# Altium PCB PMR_for_R124_v2.PcbDoc (part 1 of 3) (continued)
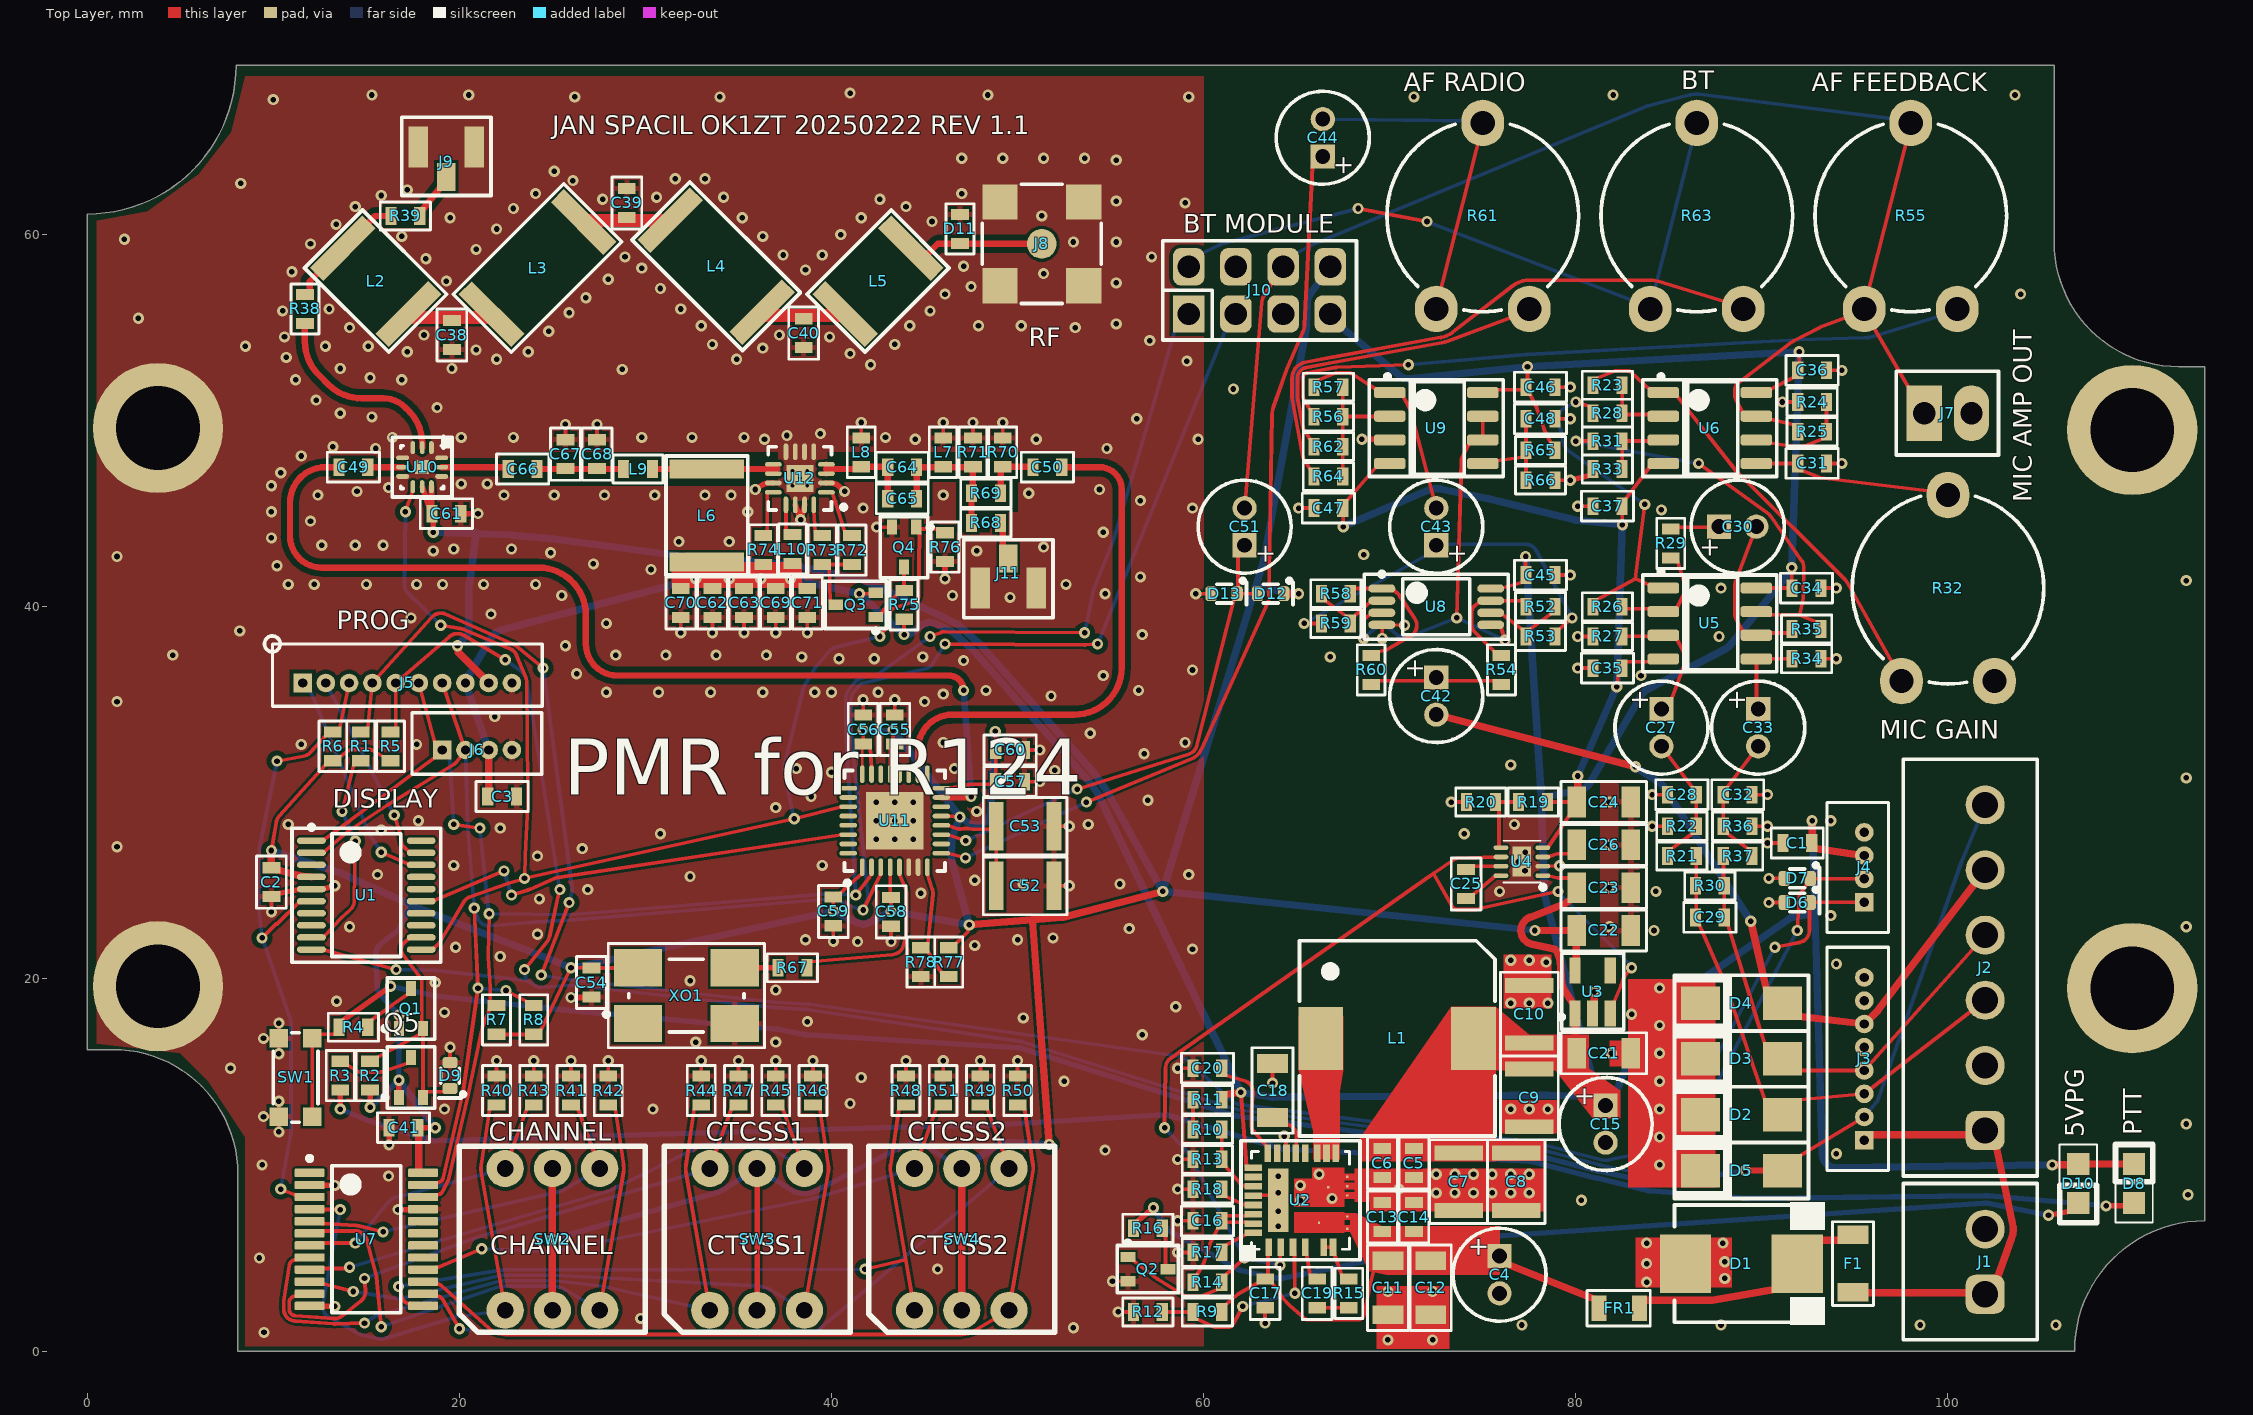
[diagram p0: Top Layer view]
## Classes and differential pairs
net class HV: +26V +POWER_RAIL
net class "50 ohm": FILT1 NetC49_1 NetC49_2 NetC50_1 NetC50_2 NetC66_2 NetJ9_1 NetR38_1 "RF SIGNAL OUT"
component class U_Power: C4 C5 C6 C7 C8 C9 C10 C11 C12 C13 C14 C15 C16 C17 C18 C19 C20 C21 C22 C23 C24 C25 C26 D10 L1 Q2 R9 R10 R11 R12 R13 R14 R15 R16 R17 R18 R19 R20 U2 U3 U4
component class U_MCU: C2 C3 D8 D9 J5 J6 Q1 Q5 R1 R2 R3 R4 R5 R6 R7 R8 SW1 U1
component class U_Interfaces: C1 D1 D2 D3 D4 D5 D6 D7 F1 FR1 J1 J2 J3 J4
component class U_HW_Control: C41 R40 R41 R42 R43 R44 R45 R46 R47 R48 R49 R50 R51 SW2 SW3 SW4 U7
component class U_Headphone_Amplifier: C42 C43 C44 C45 C46 C47 C48 R52 R53 R54 R55 R56 R57 R58 R59 R60 R61 R62 R63 R64 R65 R66 U8 U9
component class RF_SIDE: C38 C39 C40 D11 J8 J9 L2 L3 L4 L5 R38 R39
component class Radio: C49 C50 C51 C52 C53 C54 C55 C56 C57 C58 C59 C60 C61 D12 D13 R67 R77 R78 U10 U11 XO1
component class PA: C62 C63 C64 C65 C66 C67 C68 C69 C70 C71 J11 L6 L7 L8 L9 L10 Q3 Q4 R68 R69 R70 R71 R72 R73 R74 R75 R76 U12
component class Microphone_Amplifier: C27 C28 C29 C30 C31 C32 C33 C34 C35 C36 C37 J7 R21 R22 R23 R24 R25 R26 R27 R28 R29 R30 R31 R32 R33 R34 R35 R36 R37 U5 U6
component class Designator: J10

## Components (designator, comment, footprint, x,y, rotation, side; value= is the part's Value field where it differs from the comment)
C1 "1u, 25V, X7R" SMD0603 91.9,27.3 r180 top
C2 "1u, 25V, X7R" SMD0603 9.9,25.2 r270 top
C3 "1u, 25V, X7R" SMD0603 22.3,29.8 r0 top
C4 "10uF, ALU 63V" WCAP-ATLI_5x11x2 75.9,4.1 r90 top
C5 "1u, 50V, X7R" SMD0603 71.3,10.1 r90 top
C6 "1u, 50V, X7R" SMD0603 69.6,10.1 r90 top
C7 "47u, 10V, X7R" SMD1210 73.7,9.1 r90 top value=47uF
C8 "47u, 10V, X7R" SMD1210 76.8,9.1 r90 top value=47uF
C9 "47u, 10V, X7R" SMD1210 77.5,13.6 r90 top value=47uF
C10 "47u, 10V, X7R" SMD1210 77.5,18.1 r270 top value=47uF
C11 "10u, 50V, X5R" SMD1206 69.9,3.4 r90 top
C12 "10u, 50V, X5R" SMD1206 72.2,3.4 r90 top
C13 "1u, 50V, X7R" SMD0603 69.6,7.2 r270 top
C14 "1u, 50V, X7R" SMD0603 71.3,7.2 r270 top
C15 "10uF, ALU 63V" WCAP-ATLI_5x11x2 81.6,12.2 r90 top
C16 "1u, 50V, X7R" SMD0603 60.2,7 r0 top
C17 "1u, 50V, X7R" SMD0603 63.3,3.1 r90 top
C18 "10u, 50V, X5R" SMD1206 63.7,14 r90 top
C19 "100n, 25V, X7R" SMD0603 66.1,3.1 r270 top
C20 "33n, 50V, X7R" SMD0603 60.2,15.2 r0 top
C21 "10u, 50V, X5R" SMD1206 81.5,16 r180 top
C22 "10u, 50V, X5R" SMD1206 81.5,22.6 r180 top
C23 "10u, 50V, X5R" SMD1206 81.5,24.9 r180 top
C24 "10u, 50V, X5R" SMD1206 81.5,29.5 r180 top
C25 "1u, 50V, X7R" SMD0603 74.1,25.1 r270 top
C26 "10u, 50V, X5R" SMD1206 81.5,27.2 r180 top
C27 "10uF, ALU 63V" WCAP-ATLI_5x11x2 84.6,33.5 r90 top
C28 "10n, 50V, C0G" SMD0603 85.7,29.9 r0 top
C29 "10n, 50V, C0G" SMD0603 87.2,23.3 r180 top
C30 "10uF, ALU 63V" WCAP-ATLI_5x11x2 88.7,44.3 r180 top
C31 "10n, 50V, C0G" SMD0603 92.7,47.7 r180 top
C32 "10n, 50V, C0G" SMD0603 88.7,29.9 r0 top
C33 "10uF, ALU 63V" WCAP-ATLI_5x11x2 89.8,33.5 r90 top
C34 "1u, 25V, X7R" SMD0603 92.4,41 r180 top
C35 "1u, 25V, X7R" SMD0603 81.7,36.7 r0 top
C36 "1u, 25V, X7R" SMD0603 92.7,52.7 r180 top
C37 "1u, 25V, X7R" SMD0603 81.7,45.4 r0 top
C38 "9p1 ±0.1p 200V C0G" SMD0603 19.6,54.6 r90 top
C39 "10p 200V 1% C0G" SMD0603 29,61.7 r270 top
C40 "9p1 ±0.1p 200V C0G" SMD0603 38.5,54.7 r90 top
C41 "1u, 25V, X7R" SMD0603 17,12 r180 top
C42 "10uF, ALU 63V" WCAP-ATLI_5x11x2 72.5,35.2 r90 top
C43 "10uF, ALU 63V" WCAP-ATLI_5x11x2 72.5,44.3 r270 top
C44 "10uF, ALU 63V" WCAP-ATLI_5x11x2 66.4,65.2 r270 top
C45 "1u, 25V, X7R" SMD0603 78.1,41.7 r180 top
C46 "1u, 25V, X7R" SMD0603 78.1,51.8 r180 top
C47 "1u, 25V, X7R" SMD0603 66.7,45.3 r0 top
C48 "1u, 25V, X7R" SMD0603 78.1,50.1 r180 top
C49 "100p, 250V, C0G" SMD0603 14.3,47.5 r180 top
C50 "100p, 250V, C0G" SMD0603 51.6,47.5 r180 top
C51 "10uF, ALU 63V" WCAP-ATLI_5x11x2 62.2,44.3 r270 top
C52 "47u, 10V, X7R" SMD1210 50.4,25 r180 top value=47uF
C53 "47u, 10V, X7R" SMD1210 50.4,28.2 r180 top value=47uF
C54 "1u, 25V, X7R" SMD0603 27.1,19.8 r270 top
C55 "1u, 25V, X7R" SMD0603 43.4,33.4 r90 top
C56 "1u, 25V, X7R" SMD0603 41.7,33.4 r90 top
C57 "1u, 25V, X7R" SMD0603 49.6,30.6 r0 top
C58 "1u, 25V, X7R" SMD0603 43.2,23.6 r270 top
C59 "1u, 25V, X7R" SMD0603 40.1,23.625 r270 top
C60 "1u, 25V, X7R" SMD0603 49.6,32.3 r0 top
C61 "1u, 25V, X7R" SMD0603 19.3,45 r0 top
C62 "1u, 25V, X7R" SMD0603 33.6,40.2 r270 top
C63 "1u, 25V, X7R" SMD0603 35.3,40.2 r270 top
C64 "10p 200V 1% C0G" SMD0603 43.8,47.5 r0 top
C65 "10p 200V 1% C0G" SMD0603 43.8,45.8 r0 top
C66 "100p, 250V, C0G" SMD0603 23.4,47.4 r180 top
C67 "47p, 50V, C0G" SMD0603 25.7,48.2 r270 top
C68 "12p 100V C0G 1%" SMD0603 27.4,48.2 r270 top
C69 "1u, 25V, X7R" SMD0603 37,40.2 r270 top
C70 "1u, 25V, X7R" SMD0603 31.9,40.2 r270 top
C71 "1u, 25V, X7R" SMD0603 38.7,40.2 r270 top
D1 "SMDJ48A" DO-214AB 88.9,4.7 r180 top
D2 "SMA6J5.0CA" DO-214AC 88.9,12.7 r0 top
D3 "SMA6J5.0CA" DO-214AC 88.9,15.7 r0 top
D4 "SMA6J5.0CA" DO-214AC 88.9,18.7 r0 top
D5 "SMA6J5.0CA" DO-214AC 88.9,9.7 r0 top
D6 "PESD3V3S1UB" SOD523 91.9,24.1 r180 top
D7 "PESD3V3S1UB" SOD523 91.9,25.4 r180 top
D8 "RED" MCL-S270 110,9 r90 top
D9 "PESD3V3S1UB" SOD523 19.5,14.8 r90 top
D10 "GREEN" MCL-S270 107,9 r270 top
D11 "CG0603MLC-24LEA" "SMD0603 - R" 46.9,60.3 r270 top
D12 "PESD3V3S1UB" SOD523 63.6,40.7 r180 top
D13 "PESD3V3S1UB" SOD523 61.1,40.7 r180 top
F1 "0458002.DR" "SMD1206 - FUSE" 94.9,4.7 r90 top
FR1 "120 ohm" "SMD0805 - R" 82.3,2.3 r180 top
J1 "691321100002" 691321100002 101.2,4.8 r90 top locked
J2 "691321100006" 691321100006 101.2,20.6 r90 top locked
J3 "53047-0810" 530470810 95.5,15.7 r90 top locked
J4 "53047-0410" 530470410 95.5,26 r90 top locked
J5 "53047-1010" 530471010 17.2,35.9 r0 top
J6 "53047-0410" 530470410 20.95,32.3 r0 top
J7 "61300211121" "Header 2 2.54mm" 98.72,50.4 r90 top
J8 "MCX 73415-1691" MCX_SMD_vertical 51.3,59.5 r0 top
J9 "UFL" CONUFL001-SMD-T 19.3,64.7 r0 top
J10 "61300821121" 61300821121 63,57 r90 top
J11 "UFL" CONUFL001-SMD-T 49.5,41 r180 top
L1 "7447798620" WE-PDF_1064 70.4,16.8 r270 top
L2 "22n94nH" Air-Inductor-25nH 15.5,57.5 r315 top
L3 "38n04nH" Air-Inductor-40nH 24.2,58.2 r45 top
L4 "38n04nH" Air-Inductor-40nH 33.8,58.3 r315 top
L5 "22n94nH" Air-Inductor-25nH 42.5,57.5 r45 top
L6 "22nH" Air-Inductor-25nH 33.3,44.9 r270 top
L7 "12n, 2%, 4.1GHz" "SMD0603 - L" 46,48.3 r270 top
L8 "12n, 2%, 4.1GHz" "SMD0603 - L" 41.6,48.3 r270 top
L9 "4n7, 2%, 7.9GHz" "SMD0603 - L" 29.6,47.4 r180 top
L10 "6n8, 2%, 5.8GHz" "SMD0603 - L" 37.9,43.1 r90 top
Q1 "NX3008NBKW" SOT323 17.4,18.4 r90 top
Q2 "NX3008NBKW" SOT323 57,4.4 r0 top
Q3 "NX3008PBKW" SOT323 41.3,40.1 r180 top
Q4 "NX3008NBKW" SOT323 43.9,43.2 r270 top
Q5 "NX3008NBKW" SOT323 17.4,14.7 r90 top
R1 "22R, 1%" "SMD0603 - R" 14.7,32.5 r270 top
R2 "10k, 1%" "SMD0603 - R" 15.2,14.8 r90 top
R3 "470R, 1%" "SMD0603 - R" 13.6,14.8 r90 top
R4 "22R, 1%" "SMD0603 - R" 14.3,17.4 r0 top
R5 "100k, 1%" "SMD0603 - R" 16.3,32.5 r270 top
R6 "100k, 1%" "SMD0603 - R" 13.2,32.5 r270 top
R7 "3k3, 1%" "SMD0603 - R" 22,17.8 r90 top
R8 "3k3, 1%" "SMD0603 - R" 24,17.8 r90 top
R9 "51k, 1%" "SMD0603 - R" 60.2,2.1 r0 top
R10 "51k, 1%" "SMD0603 - R" 60.2,11.9 r180 top
R11 "1k3, 1%" "SMD0603 - R" 60.2,13.5 r0 top
R12 "10k, 1%" "SMD0603 - R" 57,2.1 r0 top
R13 "10k, 1%" "SMD0603 - R" 60.2,10.3 r0 top
R14 "100k, 1%" "SMD0603 - R" 60.2,3.7 r180 top
R15 "1R, 1%" "SMD0603 - R" 67.8,3.1 r270 top
R16 "470R, 1%" "SMD0603 - R" 57,6.6 r180 top
R17 "1k3, 1%" "SMD0603 - R" 60.2,5.3 r0 top
R18 "39k, 1%" "SMD0603 - R" 60.2,8.7 r0 top
R19 "680k, 1%" "SMD0603 - R" 77.7,29.5 r0 top
R20 "220k, 1%" "SMD0603 - R" 74.9,29.5 r0 top
R21 "22R, 1%" "SMD0603 - R" 85.7,26.6 r180 top
R22 "100k, 1%" "SMD0603 - R" 85.7,28.2 r0 top
R23 "4k7, 0.1%" "SMD0603 - R" 81.7,51.9 r180 top
R24 "10k, 1%" "SMD0603 - R" 92.7,51 r0 top
R25 "0R" "SMD0603 - R" 92.7,49.4 r180 top
R26 "47k, 0.1%" "SMD0603 - R" 81.7,40 r180 top
R27 "10k, 1%" "SMD0603 - R" 81.7,38.4 r0 top
R28 "4k7, 0.1%" "SMD0603 - R" 81.7,50.4 r0 top
R29 "4k7, 0.1%" "SMD0603 - R" 85.1,43.4 r270 top
R30 "10k, 1%" "SMD0603 - R" 87.2,25 r180 top
R31 "4k7, 0.1%" "SMD0603 - R" 81.7,48.9 r0 top
R32 "10k" V10 100,41 r0 top
R33 "4k7, 0.1%" "SMD0603 - R" 81.7,47.4 r0 top
R34 "10k, 1%" "SMD0603 - R" 92.4,37.2 r180 top
R35 "47k, 0.1%" "SMD0603 - R" 92.4,38.8 r0 top
R36 "100k, 1%" "SMD0603 - R" 88.7,28.2 r0 top
R37 "22R, 1%" "SMD0603 - R" 88.7,26.6 r0 top
R38 "0R" "SMD0603 - R" 11.7,56 r90 top
R39 "0R" "SMD0603 - R" 17.1,61 r180 top
R40 "100k, 1%" "SMD0603 - R" 22,14 r270 top
R41 "100k, 1%" "SMD0603 - R" 26,14 r270 top
R42 "100k, 1%" "SMD0603 - R" 28,14 r270 top
R43 "100k, 1%" "SMD0603 - R" 24,14 r270 top
R44 "100k, 1%" "SMD0603 - R" 33,14 r270 top
R45 "100k, 1%" "SMD0603 - R" 37,14 r270 top
R46 "100k, 1%" "SMD0603 - R" 39,14 r270 top
R47 "100k, 1%" "SMD0603 - R" 35,14 r270 top
R48 "100k, 1%" "SMD0603 - R" 44,14 r270 top
R49 "100k, 1%" "SMD0603 - R" 48,14 r270 top
R50 "100k, 1%" "SMD0603 - R" 50,14 r270 top
R51 "100k, 1%" "SMD0603 - R" 46,14 r270 top
R52 "10k, 1%" "SMD0603 - R" 78.1,40 r180 top
R53 "10k, 1%" "SMD0603 - R" 78.1,38.4 r180 top
R54 "22R, 1%" "SMD0603 - R" 76,36.6 r270 top
R55 "10k" V10 98,61 r0 top
R56 "100R, 1%" "SMD0603 - R" 66.7,50.2 r0 top
R57 "22k, 1%" "SMD0603 - R" 66.7,51.8 r180 top
R58 "10k, 1%" "SMD0603 - R" 67.1,40.7 r0 top
R59 "10k, 1%" "SMD0603 - R" 67.1,39.1 r0 top
R60 "22R, 1%" "SMD0603 - R" 69,36.6 r270 top
R61 "10k" V10 75,61 r0 top
R62 "100R, 1%" "SMD0603 - R" 66.7,48.6 r0 top
R63 "10k" V10 86.5,61 r0 top
R64 "100R, 1%" "SMD0603 - R" 66.7,47 r0 top
R65 "10k, 1%" "SMD0603 - R" 78.1,48.4 r180 top
R66 "10k, 1%" "SMD0603 - R" 78.1,46.8 r0 top
R67 "22R, 1%" "SMD0603 - R" 37.9,20.6 r0 top
R68 "0R" "SMD0603 - R" 48.3,44.5 r0 top
R69 "82R, 1%" "SMD0603 - R" 48.3,46.1 r180 top
R70 "91R, 1%" "SMD0603 - R" 49.2,48.3 r270 top
R71 "91R, 1%" "SMD0603 - R" 47.6,48.3 r270 top
R72 "3k3, 1%" "SMD0603 - R" 41.097,43.046 r90 top
R73 "6k8, 1%" "SMD0603 - R" 39.501,43.044 r90 top
R74 "0R" "SMD0603 - R" 36.332,43.052 r90 top
R75 "100k, 1%" "SMD0603 - R" 43.9,40.1 r270 top
R76 "100k, 1%" "SMD0603 - R" 46.1,43.2 r90 top
R77 "0R" "SMD0603 - R" 46.3,20.9 r270 top
R78 "0R" "SMD0603 - R" 44.8,20.9 r270 top
SW1 "KMR241G" KMR2 11.2,14.7 r270 top
SW2 "MCRH2AF-16R" MCRH-16 25,6 r0 top locked
SW3 "MCRH2AF-16R" MCRH-16 36,6 r0 top locked
SW4 "MCRH2AF-16R" MCRH-16 47,6 r0 top locked
U1 "STM32G030F6P6TR" TSSOP20 15,24.5 r0 top
U2 "SIC479ED-T1-GE3" POWERPAK_MLP55-27L_VIS 65.2,8.1 r90 top
U3 "LDK320M33R" SOT23-5 80.9,19.3 r90 top
U4 "LM27761DSGT" "DFN08 - 2X2MM - OS" 77.1,26.3 r90 top
U5 "NE5532DR" SOIC08 87.2,39.1 r0 top
U6 "NE5532DR" SOIC08 87.2,49.6 r0 top
U7 "TCA9539PWR" PW0024A_M 15,6 r0 top
U8 "AD8532ARUZ" TSSOP08 72.5,40 r0 top
U9 "NE5532DR" SOIC08 72.5,49.6 r0 top
U10 "SKY13330-397LF" QFN50P200X200X100_HS-13N 18,47.5 r270 top
U11 "RDA1846" QFN32-2 43.4,28.5 r90 top
U12 "GRF5504" "QFN50P300X300X80_HS-17M - OS" 38.3,46.9 r180 top
XO1 "7C-25.000MBA-T" ABRA-ABMM2-4_V 32.2,19.1 r0 top

## Footprints (in the part's own frame and the unit in brackets; to place one, negate y for a bottom-side part, rotate by r counter-clockwise, add the part's x,y. Pads: shape width x height; smd on the part's side, far side on the other; paste and mask are expansions set on the pad)
530470410 [mm]
  rect 1x1 hole 0.5: 1(-1.875,0)
  round 1 hole 0.5: 2(-0.625,0) 3(0.625,0) 4(1.875,0)
  silkscreen extent -3.5,-1.3 3.47,2, body extent -3.37,-1.15 3.38,2.05, height 4.23
530470810 [mm]
  rect 1x1 hole 0.5: 1(-4.375,0)
  round 1 hole 0.5: 2(-3.125,0) 3(-1.875,0) 4(-0.625,0) 5(0.625,0) 6(1.875,0) 7(3.125,0) 8(4.375,0)
  silkscreen extent -6,-1.3 6,2, body extent -5.88,-1.15 5.87,2.05, height 4.23
530471010 [mm]
  rect 1x1 hole 0.5: 1(-5.625,0)
  round 1 hole 0.5: 2(-4.375,0) 3(-3.125,0) 4(-1.875,0) 5(-0.625,0) 6(0.625,0) 7(1.875,0) 8(3.125,0) 9(4.375,0) 10(5.625,0)
  silkscreen extent -7.67,-1.25 7.25,2.52, body extent -7.13,-1.1 7.12,2.1, height 4.23
61300821121 [mm]
  rect 2x1.7 hole 1.2: 1(-1.27,3.81)
  rrect50% 2x1.7 hole 1.2: 2(1.27,3.81) 3(-1.27,1.27) 4(1.27,1.27) 5(-1.27,-1.27) 6(1.27,-1.27) 7(-1.27,-3.81) 8(1.27,-3.81)
  silkscreen extent -2.67,-5.21 2.67,5.21, body extent -2.54,-5.08 2.54,5.08, height 8.57
691321100002 [mm] "Vertical PCB Header, pitch 3.5mm, 02p"
  rrect50% 2.1x2.1 hole 1.4: 1(-1.75,-0.8)
  round 2.1 hole 1.4: 2(1.75,-0.8)
  silkscreen extent -4.2,-3.6 4.2,3.6, body extent -4.2,-3.6 4.2,3.6, height 9.3
691321100006 [mm] "Vertical PCB Header, pitch 3.5mm, 06p"
  rrect50% 2.1x2.1 hole 1.4: 1(-8.75,-0.8)
  round 2.1 hole 1.4: 2(-5.25,-0.8) 3(-1.75,-0.8) 4(1.75,-0.8) 5(5.25,-0.8) 6(8.75,-0.8)
  silkscreen extent -11.2,-3.6 11.2,3.6, body extent -11.2,-3.6 11.2,3.6, height 9.3
ABRA-ABMM2-4_V [mm] "SMD, 4-Leads, Body 6.2x3.9mm, Pitch 4.4mm, Height 1.2mm"
  rect 2.6x2 smd: 1(-2.6,-1.5) 2(2.6,-1.5) 3(2.6,1.5) 4(-2.6,1.5)
  silkscreen extent -4.42,-2.8 4.2,2.8, body extent -3.1,-1.95 3.1,1.95, height 1.2
Air-Inductor-25nH [mm]
  rect 1x4 smd mask+0.05: 1(-2.5,0) 2(2.5,0)
  silkscreen extent -3.2,-2.2 3.2,2.2
Air-Inductor-40nH [mm]
  rect 1x4 smd mask+0.05: 1(-3.5,0) 2(3.5,0)
  silkscreen extent -4.2,-2.2 4.2,2.2
CONUFL001-SMD-T [mm]
  rect 1x1.5 smd: 1(0,-1.6)
  rect 1.05x2.2 smd: 2(-1.5,0) 3(1.5,0)
  silkscreen extent -2.4,-2.6 2.4,1.6, body extent -1.7,-1.65 1.7,1.45, height 1.25
"DFN08 - 2X2MM - OS" [mm] "DFN, 8-Leads, Body 3,00x3,00mm, Pitch 0,50mm, Thermal Pad 2,00x1,60mm, IPC Medium Density"
  oval 0.25x0.8 smd: 1(-0.75,-1.125) 2(-0.25,-1.125) 3(0.25,-1.125) 4(0.75,-1.125) 5(0.75,1.125) 6(0.25,1.125) 7(-0.25,1.125) 8(-0.75,1.125)
  rect 1.6x1 smd: 9(0,0)
  silkscreen extent -1.5,-1.25 1.12,1, body extent -1,-1.01 1,1.01, height 0.95
DO-214AB [mm] "Molded Diode, 2-Leads, Body 6.86x5.91mm, IPC Medium Density"
  rect 2.75x3.15 smd: 1(-3,0) 2(3,0)
  silkscreen extent -4.5,-3.3 3.6,3.3, body extent -3.55,-3.11 3.56,3.11, height 2.6
DO-214AC [mm]
  rect 2.1x1.8 smd: 1(-2.2,0) 2(2.2,0)
  silkscreen extent -3.6,-1.5 3.6,1.5, body extent -2.6,-1.3 2.6,1.3, height 2.4
"Header 2 2.54mm" [mm]
  rect 3x1.9 hole 1.2: 1(0,0)
  oval 3x1.9 hole 1.2: 2(0,-2.54)
  silkscreen extent -2.25,-4 2.25,1.5, body extent -1.27,-3.84 1.27,1.24, height 8.67
KMR2 [mm]
  rect 1x1 smd: 1(-2.1,-0.9) 1(2.1,-0.9) 2(-2.1,0.9) 2(2.1,0.9)
  silkscreen extent -2.4,-1.2 2.4,1.2
MCL-S270 [mm]
  rect 1.2x1.2 smd: 1(-1.05,0) 2(1.05,0)
  silkscreen extent -2.1,-1 2.1,1, body extent -1,-0.62 1,0.62, height 0.81
MCRH-16 [mm]
  round 2 hole 0.9 mask+0.03: 1(-2.54,-3.81) 2(0,-3.81) 3(2.54,-3.81) 4(2.54,3.81) 5(0,3.81) 6(-2.54,3.81)
  silkscreen extent -5,-5 5,5, body extent -5,-5 5,5, height 8
MCX_SMD_vertical [mm]
  round 1.6 smd: 1(0,0)
  rect 1.9x1.9 smd: 2(-2.25,-2.25) 2(-2.25,2.25) 2(2.25,-2.25) 2(2.25,2.25)
  silkscreen extent -3.2,-3.2 3.2,3.2, body extent -2.95,-2.95 2.95,2.95, height 5.9
POWERPAK_MLP55-27L_VIS [mil]
  rect 37x14 smd paste+0 mask+0: 1(-99.4,66.95) 2(-99.4,41.35) 3(-99.4,15.75) 4(-99.4,-9.85) 5(-99.4,-49.25) 6(-99.4,-68.95) 12(99.4,-74.85) 13(99.4,-55.15) 14(99.4,-35.45) 15(99.4,-9.85) 16(99.4,9.85) 17(99.4,29.55) 18(99.4,49.25) 19(99.4,68.95)
  rect 5x5 smd paste-2.5 mask-2.5: 7(-59.9,-99.4) 8(-34.3,-99.4) 9(10.2,-99.4) 10(29.9,-99.4) 11(49.6,-99.4) 29(-47.2,-39.4) 30(27.6,-58.5)
  rect 14x37 smd paste+0 mask+0: 20(68.95,99.4) 21(49.25,99.4) 22(29.55,99.4) 23(9.85,99.4) 24(-9.85,99.4) 25(-29.55,99.4) 26(-49.25,99.4) 27(-68.95,99.4)
  rect 134x43 smd paste+0 mask+0: 28(0,47.2)
  Top Layer region: -13.9,13.5 -13.9,-92.5 3.2,-92.5 3.2,-117.9 17.2,-117.9 17.2,-92.5 22.9,-92.5 22.9,-117.9 36.9,-117.9 36.9,-92.5 42.6,-92.5 42.6,-117.9 56.6,-117.9 56.6,-92.5 69.1,-92.5 69.1,-24.5 46.1,-24.5 46.1,13.5
  Top Layer region: -25.7,13.6 -68.7,13.6 -68.7,-92.4 -66.9,-92.4 -66.9,-117.9 -52.9,-117.9 -52.9,-92.4 -41.3,-92.4 -41.3,-117.9 -27.3,-117.9 -27.3,-92.4 -25.7,-92.4
  silkscreen extent -126,-126 126,126, body extent -98,-98 98,98, height 79
PW0024A_M [mm] "SOP, 24-Leads, Body 7.9x4.5mm, Pitch 0.65mm, IPC Low Density"
  rrect22% 1.6x0.45 smd: 1(-3.05,3.575) 2(-3.05,2.925) 3(-3.05,2.275) 4(-3.05,1.625) 5(-3.05,0.975) 6(-3.05,0.325) 7(-3.05,-0.325) 8(-3.05,-0.975) 9(-3.05,-1.625) 10(-3.05,-2.275) 11(-3.05,-2.925) 12(-3.05,-3.575) 13(3.05,-3.575) 14(3.05,-2.925) 15(3.05,-2.275) 16(3.05,-1.625) 17(3.05,-0.975) 18(3.05,-0.325) 19(3.05,0.325) 20(3.05,0.975) 21(3.05,1.625) 22(3.05,2.275) 23(3.05,2.925) 24(3.05,3.575)
  silkscreen extent -3.17,-3.95 1.85,4.47, body extent -3.21,-3.9 3.21,3.9, height 1
QFN32-2 [mm] "QFN, 32-Leads, Body 5,00x5,00mm, Pitch 0,50mm, Thermal Pad 3,10x3,10mm, IPC Medium Density"
  oval 0.95x0.25 smd: 1(-2.5,1.75) 2(-2.5,1.25) 3(-2.5,0.75) 4(-2.5,0.25) 5(-2.5,-0.25) 6(-2.5,-0.75) 7(-2.5,-1.25) 8(-2.5,-1.75) 17(2.5,-1.75) 18(2.5,-1.25) 19(2.5,-0.75) 20(2.5,-0.25) 21(2.5,0.25) 22(2.5,0.75) 23(2.5,1.25) 24(2.5,1.75)
  oval 0.25x0.95 smd: 9(-1.75,-2.5) 10(-1.25,-2.5) 11(-0.75,-2.5) 12(-0.25,-2.5) 13(0.25,-2.5) 14(0.75,-2.5) 15(1.25,-2.5) 16(1.75,-2.5) 25(1.75,2.5) 26(1.25,2.5) 27(0.75,2.5) 28(0.25,2.5) 29(-0.25,2.5) 30(-0.75,2.5) 31(-1.25,2.5) 32(-1.75,2.5)
  rect 3.1x3.1 smd: 33(0,0)
  silkscreen extent -3.47,-2.7 2.7,2.7, body extent -2.52,-2.51 2.5,2.51, height 0.8
QFN50P200X200X100_HS-13N [mm] "QFN, 12-Leads, Body 2.00x2.00mm, Pitch 0.50mm, Thermal Pad 0.76x0.76mm, IPC Medium Density"
  oval 0.7x0.25 smd mask+0.05: 1(-1.05,0.5) 2(-1.05,0) 3(-1.05,-0.5) 7(1.05,-0.5) 8(1.05,0) 9(1.05,0.5)
  oval 0.25x0.7 smd mask+0.05: 4(-0.5,-1.05) 5(0,-1.05) 6(0.5,-1.05) 10(0.5,1.05) 11(0,1.05) 12(-0.5,1.05)
  rect 0.76x0.76 smd: 13(0,0)
  silkscreen extent -1.7,-1.6 1.6,1.6, body extent -1.01,-1.01 1.01,1.01, height 1
"QFN50P300X300X80_HS-17M - OS" [mm] "QFN, 16-Leads, Body 3,00x3,00mm, Pitch 0,50mm, Thermal Pad 1,45x1,45mm, IPC Low Density"
  oval 0.9x0.25 smd: 1(-1.425,0.75) 2(-1.425,0.25) 3(-1.425,-0.25) 4(-1.425,-0.75) 9(1.425,-0.75) 10(1.425,-0.25) 11(1.425,0.25) 12(1.425,0.75)
  oval 0.25x0.9 smd: 5(-0.75,-1.425) 6(-0.25,-1.425) 7(0.25,-1.425) 8(0.75,-1.425) 13(0.75,1.425) 14(0.25,1.425) 15(-0.25,1.425) 16(-0.75,1.425)
  rect 1.45x1.45 smd: 17(0,0)
  silkscreen extent -2.48,-1.7 1.7,1.7, body extent -1.55,-1.55 1.55,1.55, height 0.8
SMD0603 [mm] "2-Leads, Body 1,60x0,85mm(0603), IPC Medium Density"
  rect 0.6x0.95 smd: 1(-0.775,0) 2(0.775,0)
  silkscreen extent -1.4,-0.8 1.4,0.8, body extent -0.8,-0.4 0.8,0.4, height 0.7
"SMD0603 - L" [mm] "2-Leads, Body 1,60x0,85mm(0603), IPC Medium Density"
  rect 0.6x0.95 smd: 1(-0.775,0) 2(0.775,0)
  silkscreen extent -1.35,-0.75 1.35,0.75, body extent -0.88,-0.54 0.87,0.55, height 0.93
"SMD0603 - R" [mm] "2-Leads, Body 1,60x0,85mm(0603), IPC Medium Density"
  rect 0.6x0.95 smd: 1(-0.775,0) 2(0.775,0)
  silkscreen extent -1.35,-0.75 1.35,0.75, body extent -0.8,-0.45 0.8,0.45, height 0.5
"SMD0805 - R" [mm] "2-Leads, Body 2,00x1,25mm(0805), IPC Medium Density"
  rect 0.8x1.35 smd: 1(-1.125,0) 2(1.05,0)
  silkscreen extent -1.7,-0.95 1.7,0.95, body extent -1.15,-0.67 1.15,0.68, height 0.75
SMD1206 [mm] "Chip Resistor, 2-Leads, Body 3,20x1,60mm(1206), IPC Medium Density"
  rect 1x1.65 smd: 1(-1.45,0) 2(1.45,0)
  silkscreen extent -2.3,-1.1 2.3,1.1, body extent -1.6,-0.8 1.6,0.8, height 1
"SMD1206 - FUSE" [mm] "Chip Resistor, 2-Leads, Body 3,20x1,60mm(1206), IPC Medium Density"
  rect 1x1.65 smd: 1(-1.55,0) 2(1.55,0)
  silkscreen extent -2.25,-1.1 2.25,1.1, body extent -1.7,-0.9 1.7,0.9, height 1.17
SMD1210 [mm] "2-Leads, Body 3,2x2,50mm,(1210) IPC Medium Density"
  rect 0.8x2.6 smd: 1(-1.55,0) 2(1.55,0)
  silkscreen extent -2.25,-1.55 2.25,1.55, body extent -1.6,-1.25 1.6,1.25, height 1.3
SOD523 [mm]
  rrect50% 0.6x0.8 smd: 1(-0.7,0) 2(0.7,0)
  silkscreen extent -1.2,-0.8 0.4,0.6, body extent -0.85,-0.45 0.85,0.45, height 0.7
SOIC08 [mm] "SOIC, 8-Leads, Body 4,90x3,90mm, Pitch 1,27mm, IPC Medium Density"
  rrect50% 1.7x0.6 smd: 1(-2.5,1.905) 2(-2.5,0.635) 3(-2.5,-0.635) 4(-2.5,-1.905) 5(2.5,-1.905) 6(2.5,-0.635) 7(2.5,0.635) 8(2.5,1.905)
  silkscreen extent -3.6,-2.6 3.6,2.88, body extent -3.1,-2.5 3.1,2.5, height 1.75
SOT23-5 [mm] "SOT23, 5-Leads, Body 2,90x2,80mm, Pitch 0,95mm, IPC Medium Density"
  rect 1.4x0.6 smd: 1(-1.15,0.95) 2(-1.15,0) 3(-1.15,-0.95) 4(1.15,-0.95) 5(1.15,0.95)
  silkscreen extent -2.02,-1.68 2.08,1.8, body extent -1.6,-1.45 1.6,1.45, height 0.94
SOT323 [mm] "SOT323, 3-Leads, Body 2,00x2,10mm, Pitch 0,65mm, IPC Medium Density"
  rect 0.8x0.55 smd: 1(-1.075,0.65) 2(-1.075,-0.65) 3(1.075,0)
  silkscreen extent -1.65,-1.28 1.65,1.52, body extent -1.15,-1.05 1.15,1.05, height 1
TSSOP08 [mm] "TSOP, 8-Leads, Body 3.00x4.40mm, Pitch 0.65mm, IPC Medium Density"
  oval 1.45x0.45 smd mask+0.05: 1(-2.925,0.975) 2(-2.925,0.325) 3(-2.925,-0.325) 4(-2.925,-0.975) 5(2.925,-0.975) 6(2.925,-0.325) 7(2.925,0.325) 8(2.925,0.975)
  silkscreen extent -3.88,-1.75 3.88,1.87, body extent -3.2,-1.5 3.2,1.5, height 1.2
TSSOP20 [mm] "TSOP, 20-Leads, Body 6,50x4,40mm, Pitch 0,65mm, IPC Medium Density"
  oval 1.55x0.35 smd: 1(-2.95,2.925) 2(-2.95,2.275) 3(-2.95,1.625) 4(-2.95,0.975) 5(-2.95,0.325) 6(-2.95,-0.325) 7(-2.95,-0.975) 8(-2.95,-1.625) 9(-2.95,-2.275) 10(-2.95,-2.925) 11(2.95,-2.925) 12(2.95,-2.275) 13(2.95,-1.625) 14(2.95,-0.975) 15(2.95,-0.325) 16(2.95,0.325) 17(2.95,0.975) 18(2.95,1.625) 19(2.95,2.275) 20(2.95,2.925)
  silkscreen extent -4,-3.6 4,3.77, body extent -3.3,-3.25 3.1,3.25, height 1.2
V10 [mm]
  oval 2.3x2.5 hole 1.3: 1(-2.5,-5) 2(0,5) 3(2.5,-5)
  silkscreen extent -5.15,-5.15 5.15,4.93, body extent -5.15,-5.07 5.15,5.53, height 6.26
WCAP-ATLI_5x11x2 [mm] "Aluminum Electrolytic Capacitors, 5x11mm"
  rect 1.3x1.3 hole 0.8: 1(1,0)
  round 1.3 hole 0.8: 2(-1,0)
  silkscreen extent -2.5,-2.5 2.5,2.5, body extent -2.49,-2.5 2.5,2.5, height 11.31
WE-PDF_1064 [mm] "SMD Shielded Power Inductor, body 10.2x10.2mm"
  rect 3.4x2.4 smd: 1(0,-4.1) 2(0,4.1)
  silkscreen extent -5.25,-5.25 5.25,5.25, body extent -5.1,-5.1 5.1,5.1, height 6.4

## Part data
C1 C2 C3 C34 C35 C36 C37 C41 C45 C46 C47 C48 C54 C55 C56 C57 C58 C59 C60 C61 C62 C63 C69 C70 C71: library part CGA3E1X7R1E105K080AC, "CAP CER 1UF 25V X7R 0603", Capacitance=1u, Manufacturer="TDK Corporation", Operating Temperature="-55°C ~ 125°C", Package / Case="0603 (1608 Metric)", Ratings=AEC-Q200, Supplier Part Number 1=810-CGA3E1X7R1E105K, Temperature Coefficient=X7R, Tolerance=±10%, Voltage - Rated=25V, Applications=Automotive, Category=Capacitors, ComponentLink1Description=https://product.tdk.com/info/en/catalog/datasheets/mlcc_automotive_general_en.pdf, ComponentLink1URL=https://product.tdk.com/info/en/catalog/datasheets/mlcc_automotive_general_en.pdf, Failure Rate=-, Features=-, Height - Seated (Max)=-, Lead Spacing=-, Lead Style=-, Manufacturer Part Number=CGA3E1X7R1E105K080AC, Mounting Type="Surface Mount, MLCC", Packaging="Cut Tape (CT)", Part Status=Active, Pricing 1="1=0.2, 10=0.135, 100=0.0686, 500=0.04696, 1000=0.04154 (USD)", RoHS="RoHS Compliant", Size / Dimension="0.063\" L x 0.032\" W (1.60mm x 0.80mm)", Stock 1=109509, Supplier 1=Mouser, Supplier 2=Farnell, Supplier 3=Digi-Key, Supplier Part Number 2=2346962, Supplier Part Number 3=445-6931-1-ND, Thickness (Max)="0.035\" (0.90mm)"
C4 C15 C27 C30 C33 C42 C43 C44 C51: library part 860080772001, "WURTH ELEKTRONIK - 860080772001 - CAP, ALU ELEC, 10UF, 63V, RADIAL", Capacitance=10u, Manufacturer="WURTH ELEKTRONIK", Ripple Current="135mA @ 100kHz", Supplier Part Number 1=710-860080772001, Voltage Rating=63V, ComponentLink1Description=http://www.farnell.com/datasheets/1879798.pdf, ComponentLink1URL=http://www.farnell.com/datasheets/1879798.pdf, ComponentLink2Description=http://www.farnell.com/datasheets/2065186.pdf, ComponentLink2URL=http://www.farnell.com/datasheets/2065186.pdf, Manufacturer Part Number=860080772001, Pricing 1="1=0.0957, 3=0.091, 5=0.0863, 10=0.0825, 20=0.0786, 50=0.0692, 250=0.0647, 500=0.0564 (GBP)", Pricing 3="1=0.62, 50=0.335, 100=0.289, 250=0.259, 500=0.235, 1500=0.202, 7500=0.182, 15000=0.178 (GBP)", RoHS=YES, Stock 1=553, Stock 3=2136, Supplier 1=Mouser, Supplier 2=Farnell, Supplier 3=Digi-Key, Supplier Part Number 2=2465955, Supplier Part Number 3=732-9121-1-ND
C5 C6 C13 C14 C16 C17 C25: library part UMK107AB7105KA-T, "0603 1 uF 50 V ±10% Tolerance X7R SMT Multilayer Ceramic Capacitor", Capacitance=1u, Case Code (Imperial)=0603, Case Code (Metric)=1608, Dielectric=X7R, Manufacturer="Taiyo Yuden", Max Operating Temperature=125°C, Min Operating Temperature=-55°C, Package Quantity=1, Supplier Part Number 1=963-UMK107AB7105KA-T, Tolerance=10%, Voltage Rating=50V, Case/Package=0603, Category="Ceramic Capacitors", ComponentLink1Description=https://datasheet.ciiva.com/15922/umk107ab7105ka-t-pdf-15922601.pdf?src-supplier=Onlinecomponents.com, ComponentLink1URL=https://datasheet.ciiva.com/15922/umk107ab7105ka-t-pdf-15922601.pdf?src-supplier=Onlinecomponents.com, ComponentLink2Description=https://datasheet.ciiva.com/6257/umk107ab7105ka-t-ss-6257600.pdf?src-supplier=Digi-Key, ComponentLink2URL=https://datasheet.ciiva.com/6257/umk107ab7105ka-t-ss-6257600.pdf?src-supplier=Digi-Key, ComponentLink3Description=https://datasheet.ciiva.com/30137/76umk107ab7105ka-t-30137806.pdf?src-supplier=Onlinecomponents.com, ComponentLink3URL=https://datasheet.ciiva.com/30137/76umk107ab7105ka-t-30137806.pdf?src-supplier=Onlinecomponents.com, Depth=0.8mm, Halogen Free="Halogen Free", Height=0.8mm, Length=1.6mm, Manufacturer Part Number=UMK107AB7105KA-T, Mount="Surface Mount", Packaging="Tape and Reel", Pricing 1="1=0,39000, 10=0,13500, 100=0,09200, 500=0,07800, 1000=0,06100, 4000=0,06100 (USD)", Radiation Hardening=No, RoHS=Yes, Stock 1=419967, Supplier 1=Mouser, Supplier 2=Farnell, Supplier 3=Digi-Key, Supplier Part Number 2=2779113, Supplier Part Number 3=587-3247-6-ND, Termination=SMD/SMT, Thickness=0.037inch, Voltage Rating (DC)=50V, Width=0.031inch
C7 C8 C9 C10 C52 C53: library part CL32B476MPJNNNE, "Cap Ceramic 47uF 10V X7R 20% Pad SMD 1210 125C T/R", Case/Package=1210, Dielectric=X7R, Manufacturer=Samsung, Supplier Part Number 1=187-CL32B476MPJNNNE, Tolerance=20%, Voltage Rating (DC)=10V, Category="Ceramic Capacitors", ComponentLink1Description=http://www.samsungsem.com/kr/support/library/product-catalog/__icsFiles/afieldfile/2014/11/13/MLCC.pdf?src-supplier=Avnet, ComponentLink1URL=http://www.samsungsem.com/kr/support/library/product-catalog/__icsFiles/afieldfile/2014/11/13/MLCC.pdf?src-supplier=Avnet, Manufacturer Part Number=CL32B476MPJNNNE, Pricing 1="1=0.51, 10=0.377, 50=0.377, 100=0.263, 1000=0.198, 10000=0.163 (USD)", RoHS=Yes, RoHS Compliant=Yes, Stock 1=61232, Supplier 1=Mouser, Supplier 2="Arrow Electronics", Supplier Part Number 2=CL32B476MPJNNNE
C11 C12 C18 C21 C22 C23 C24 C26: library part UMK316BBJ106KL-T, "CAP CER 10UF 50V X5R 1206", Capacitance=10u, Case/Package=1206, Manufacturer="Taiyo Yuden", Max Operating Temperature=85°C, Min Operating Temperature=-55°C, Supplier Part Number 1=963-UMK316BBJ106KL-T, Tolerance=10%, Voltage Rating=50V, Category="Ceramic Capacitors", ComponentLink1Description=http://ds.yuden.co.jp/TYCOMPAS/ut/detail.do?productNo=UMK316BBJ106KL-T&fileName=UMK316BBJ106KL-T_SS&mode=specSheetDownload&src-supplier=Digi-Key, ComponentLink1URL=http://ds.yuden.co.jp/TYCOMPAS/ut/detail.do?productNo=UMK316BBJ106KL-T&fileName=UMK316BBJ106KL-T_SS&mode=specSheetDownload&src-supplier=Digi-Key, ComponentLink2Description=https://www.yuden.co.jp/productdata/catalog/mlcc01_e.pdf?src-supplier=Digi-Key, ComponentLink2URL=https://www.yuden.co.jp/productdata/catalog/mlcc01_e.pdf?src-supplier=Digi-Key, ComponentLink3Description=http://www.yuden.co.jp/productdata/catalog/en/mlcc_all_e.pdf?src-supplier=Digi-Key, ComponentLink3URL=http://www.yuden.co.jp/productdata/catalog/en/mlcc_all_e.pdf?src-supplier=Digi-Key, Lead Free="Lead Free", Length=0.126inch, Manufacturer Part Number=UMK316BBJ106KL-T, Mount="Surface Mount", Packaging="Tape and Reel", Pricing 1="1=0,42000, 10=0,18000, 100=0,12800, 500=0,11000, 1000=0,09700, 2000=0,08000 (USD)", RoHS=Yes, Stock 1=207945, Supplier 1=Mouser, Supplier 2=Digi-Key, Supplier 3=Avnet, Supplier Part Number 2=587-5960-1-ND, Supplier Part Number 3=UMK316BBJ106KL-T, Thickness=0.071inch, Width=0.063inch
C19: library part 06033C104KAT2A, "AVX - 06033C104KAT2A - CAP, MLCC, X7R, 0.1UF, 25V, 0603", Capacitance=100n, Capacitance Tolerance="± 10%", Ceramic Capacitor Case="0603 [1608 Metric]", Dielectric Characteristic=X7, Manufacturer=AVX, Operating Temperature Max=125, Operating Temperature Min=-55, Supplier Part Number 1=2530141, Voltage Rating=25, Automotive Qualification Standard=-, ComponentLink1Description=http://www.farnell.com/datasheets/2237835.pdf, ComponentLink1URL=http://www.farnell.com/datasheets/2237835.pdf, Manufacturer Part Number=06033C104KAT2A, MSL="MSL 1 - Unlimited", Packaging="Cut Tape", Pricing 1="10=0.012, 100=0.0096, 500=0.0069, 1000=0.006, 2000=0.0048, 4000=0.0038, 20000=0.0027, 40000=0.0026 (GBP)", Product Range="AVX 0603 MLCC", RoHS=YES, Stock 1=22809, Supplier 1=Farnell, Supplier 2=Digi-Key, Supplier Part Number 2=478-3714-1-ND, SVHC="No SVHC (17-Dec-2015)<!--FANDB--><div class=\"features-and-benefits-container\"><div class=\"features-and-benefits-desc-container\"><span class=\"features-and-benefits-container-desc\">SMD Multilayer Ceramic Capacitor, 0603 [1608 Metric], 0.1 µF, 25 V, ± 10%, X7R, AVX 0603 MLCC</span></div><div class=\"features-and-benefits-description\"><span class=\"features-benefits-value\">The 06033C104KAT2A is a SMD Multilayer Ceramic Capacitor with Ni/Sn-plated termination, X7R dielectric and 0603 case. X7R formulations are called temperature stable ceramics and fall into EIA class II materials. X7R is the most popular of this intermediate dielectric constant material. This capacitance change is non-linear. Capacitance for X7R varies under the influence of electrical operating conditions such as voltage and frequency. X7"
C20: library part 06035C333JAT2A, "0603 33nF Ceramic Multilayer Capacitor; 50 V dc; +125degC; X7R Dielectric; +/-5%", Capacitance=33n, Case Code (Imperial)=0603, Case Code (Metric)=1608, Dielectric=X7R, Dielectric Material=Ceramic, Manufacturer="Kyocera AVX", Max Operating Temperature=125°C, Min Operating Temperature=-55°C, Package Quantity=1, Supplier Part Number 1=581-06035C333J, Tolerance=5%, Voltage=50V, Case/Package=0603, ComponentLink1Description=https://datasheet.ciiva.com/7855/1679506-7855093.pdf?src-supplier=Element14, ComponentLink1URL=https://datasheet.ciiva.com/7855/1679506-7855093.pdf?src-supplier=Element14, ComponentLink2Description=https://datasheet.ciiva.com/28694/cx7r-28694479.pdf?src-supplier=Element14, ComponentLink2URL=https://datasheet.ciiva.com/28694/cx7r-28694479.pdf?src-supplier=Element14, ComponentLink3Description=https://datasheet.ciiva.com/152/cx7r-152032.pdf?src-supplier=Digi-Key, ComponentLink3URL=https://datasheet.ciiva.com/152/cx7r-152032.pdf?src-supplier=Digi-Key, ComponentLink4Description=https://datasheet.ciiva.com/152/cx7r-152033.pdf?src-supplier=Digi-Key, ComponentLink4URL=https://datasheet.ciiva.com/152/cx7r-152033.pdf?src-supplier=Digi-Key, ComponentLink5Description=https://datasheet.ciiva.com/1457/84526-1457941.pdf?src-supplier=Element14, ComponentLink5URL=https://datasheet.ciiva.com/1457/84526-1457941.pdf?src-supplier=Element14, ComponentLink6Description=https://datasheet.ciiva.com/1457/84526-1457942.pdf?src-supplier=Element14, ComponentLink6URL=https://datasheet.ciiva.com/1457/84526-1457942.pdf?src-supplier=Element14, ComponentLink7Description=https://datasheet.ciiva.com/17084/cx7r-17084518.pdf?src-supplier=Future+Electronics, ComponentLink7URL=https://datasheet.ciiva.com/17084/cx7r-17084518.pdf?src-supplier=Future+Electronics, ComponentLink8Description=https://datasheet.ciiva.com/2987/cx7r-2987848.pdf?src-supplier=Avnet, ComponentLink8URL=https://datasheet.ciiva.com/2987/cx7r-2987848.pdf?src-supplier=Avnet, ComponentLink9Description=https://datasheet.ciiva.com/14605/70001075-14605242.pdf?src-supplier=Allied+Electronics, ComponentLink9URL=https://datasheet.ciiva.com/14605/70001075-14605242.pdf?src-supplier=Allied+Electronics, ComponentLink10Description=https://datasheet.ciiva.com/152/cx7r-152031.pdf?src-supplier=Digi-Key, ComponentLink10URL=https://datasheet.ciiva.com/152/cx7r-152031.pdf?src-supplier=Digi-Key, Contact Plating=Tin,Matte, Depth=0.81mm, Dissipation Factor=2.5%, Height=0.9mm, Lead Free="Lead Free", Length=1.6mm, Manufacturer Part Number=06035C333JAT2A, Mount="Surface Mount,PCB", Number of Pins=2, Packaging="Tape and Reel", Pricing 1="1 = 0.13000, 10 = 0.12100, 50 = 0.12100, 100 = 0.06000, 1000 = 0.03600, 10000 = 0.02400 (USD)", Radiation Hardening=No, REACH SVHC="No SVHC", RoHS=Yes, Stock 1=266948, Supplier 1=Mouser, Supplier 2=Farnell, Supplier 3=Digi-Key, Supplier 4=Arrow, Supplier Part Number 2=2280893, Supplier Part Number 3=478-3723-1-ND, Supplier Part Number 4=06035C333JAT2A, Termination=SMD/SMT, Thickness=0.035inch, Voltage Rating=50V, Voltage Rating (DC)=50V, Width=0.032inch
C28 C29 C31 C32: library part GRM1885C1H103JA01D, "Multilayer Ceramic Capacitors MLCC - SMD/SMT 0603 50VDC 10000pF 5% C0G", Capacitance=10n, Capacitance - nF="10 nF", Capacitance - pF="10000 pF", Case Code - in=0603, Case Code - mm=1608, Dielectric="C0G (NP0)", Manufacturer="Murata Electronics", Maximum Operating Temperature="+ 125 C", Minimum Operating Temperature="- 55 C", Package / Case="0603 (1608 metric)", Supplier Part Number 1=81-GRM1885C1H103JA1D, Tolerance="5 %", Voltage Rating DC="50 VDC", Brand="Murata Electronics", Category="Multilayer Ceramic Capacitors MLCC - SMD/SMT", Class="Class 1", CNHTS=8532241000, ComponentLink1Description=http://www.mouser.com/datasheet/2/281/murata_03052018_GRM_Series_1-1310166.pdf, ComponentLink1URL=http://www.mouser.com/datasheet/2/281/murata_03052018_GRM_Series_1-1310166.pdf, Height="0.8 mm", HTS Code=8532240020, Length="1.6 mm", Manufacturer Part Number=GRM1885C1H103JA01D, Minimum Order Quantity=1, Packaging="Cut Tape", Pricing 1="1=0.183, 10=0.129, 100=0.065, 500=0.045, 1000=0.039, 4000=0.030, 8000=0.027, 24000=0.025 (EUR)", Product="General Type MLCCs", Product Type="Ceramic Capacitors", Reeling=True, RoHS="RoHS Compliant", RoHS - Mouser=Y, Series=GRM, Standard Pack Qty=4000, Stock 1=217291, Subcategory=Capacitors, Supplier 1=Mouser, Supplier 2=Farnell, Supplier Part Number 2=2456107, TARIC=8532240000, Termination=Standard, Termination Style=SMD/SMT, Type="Chip Multilayer Ceramic Capacitor for General Purpose", Width="0.8 mm"